# Altium PCB TTN_Gateway_V2.3.1.PcbDoc (part 1 of 3) (continued)
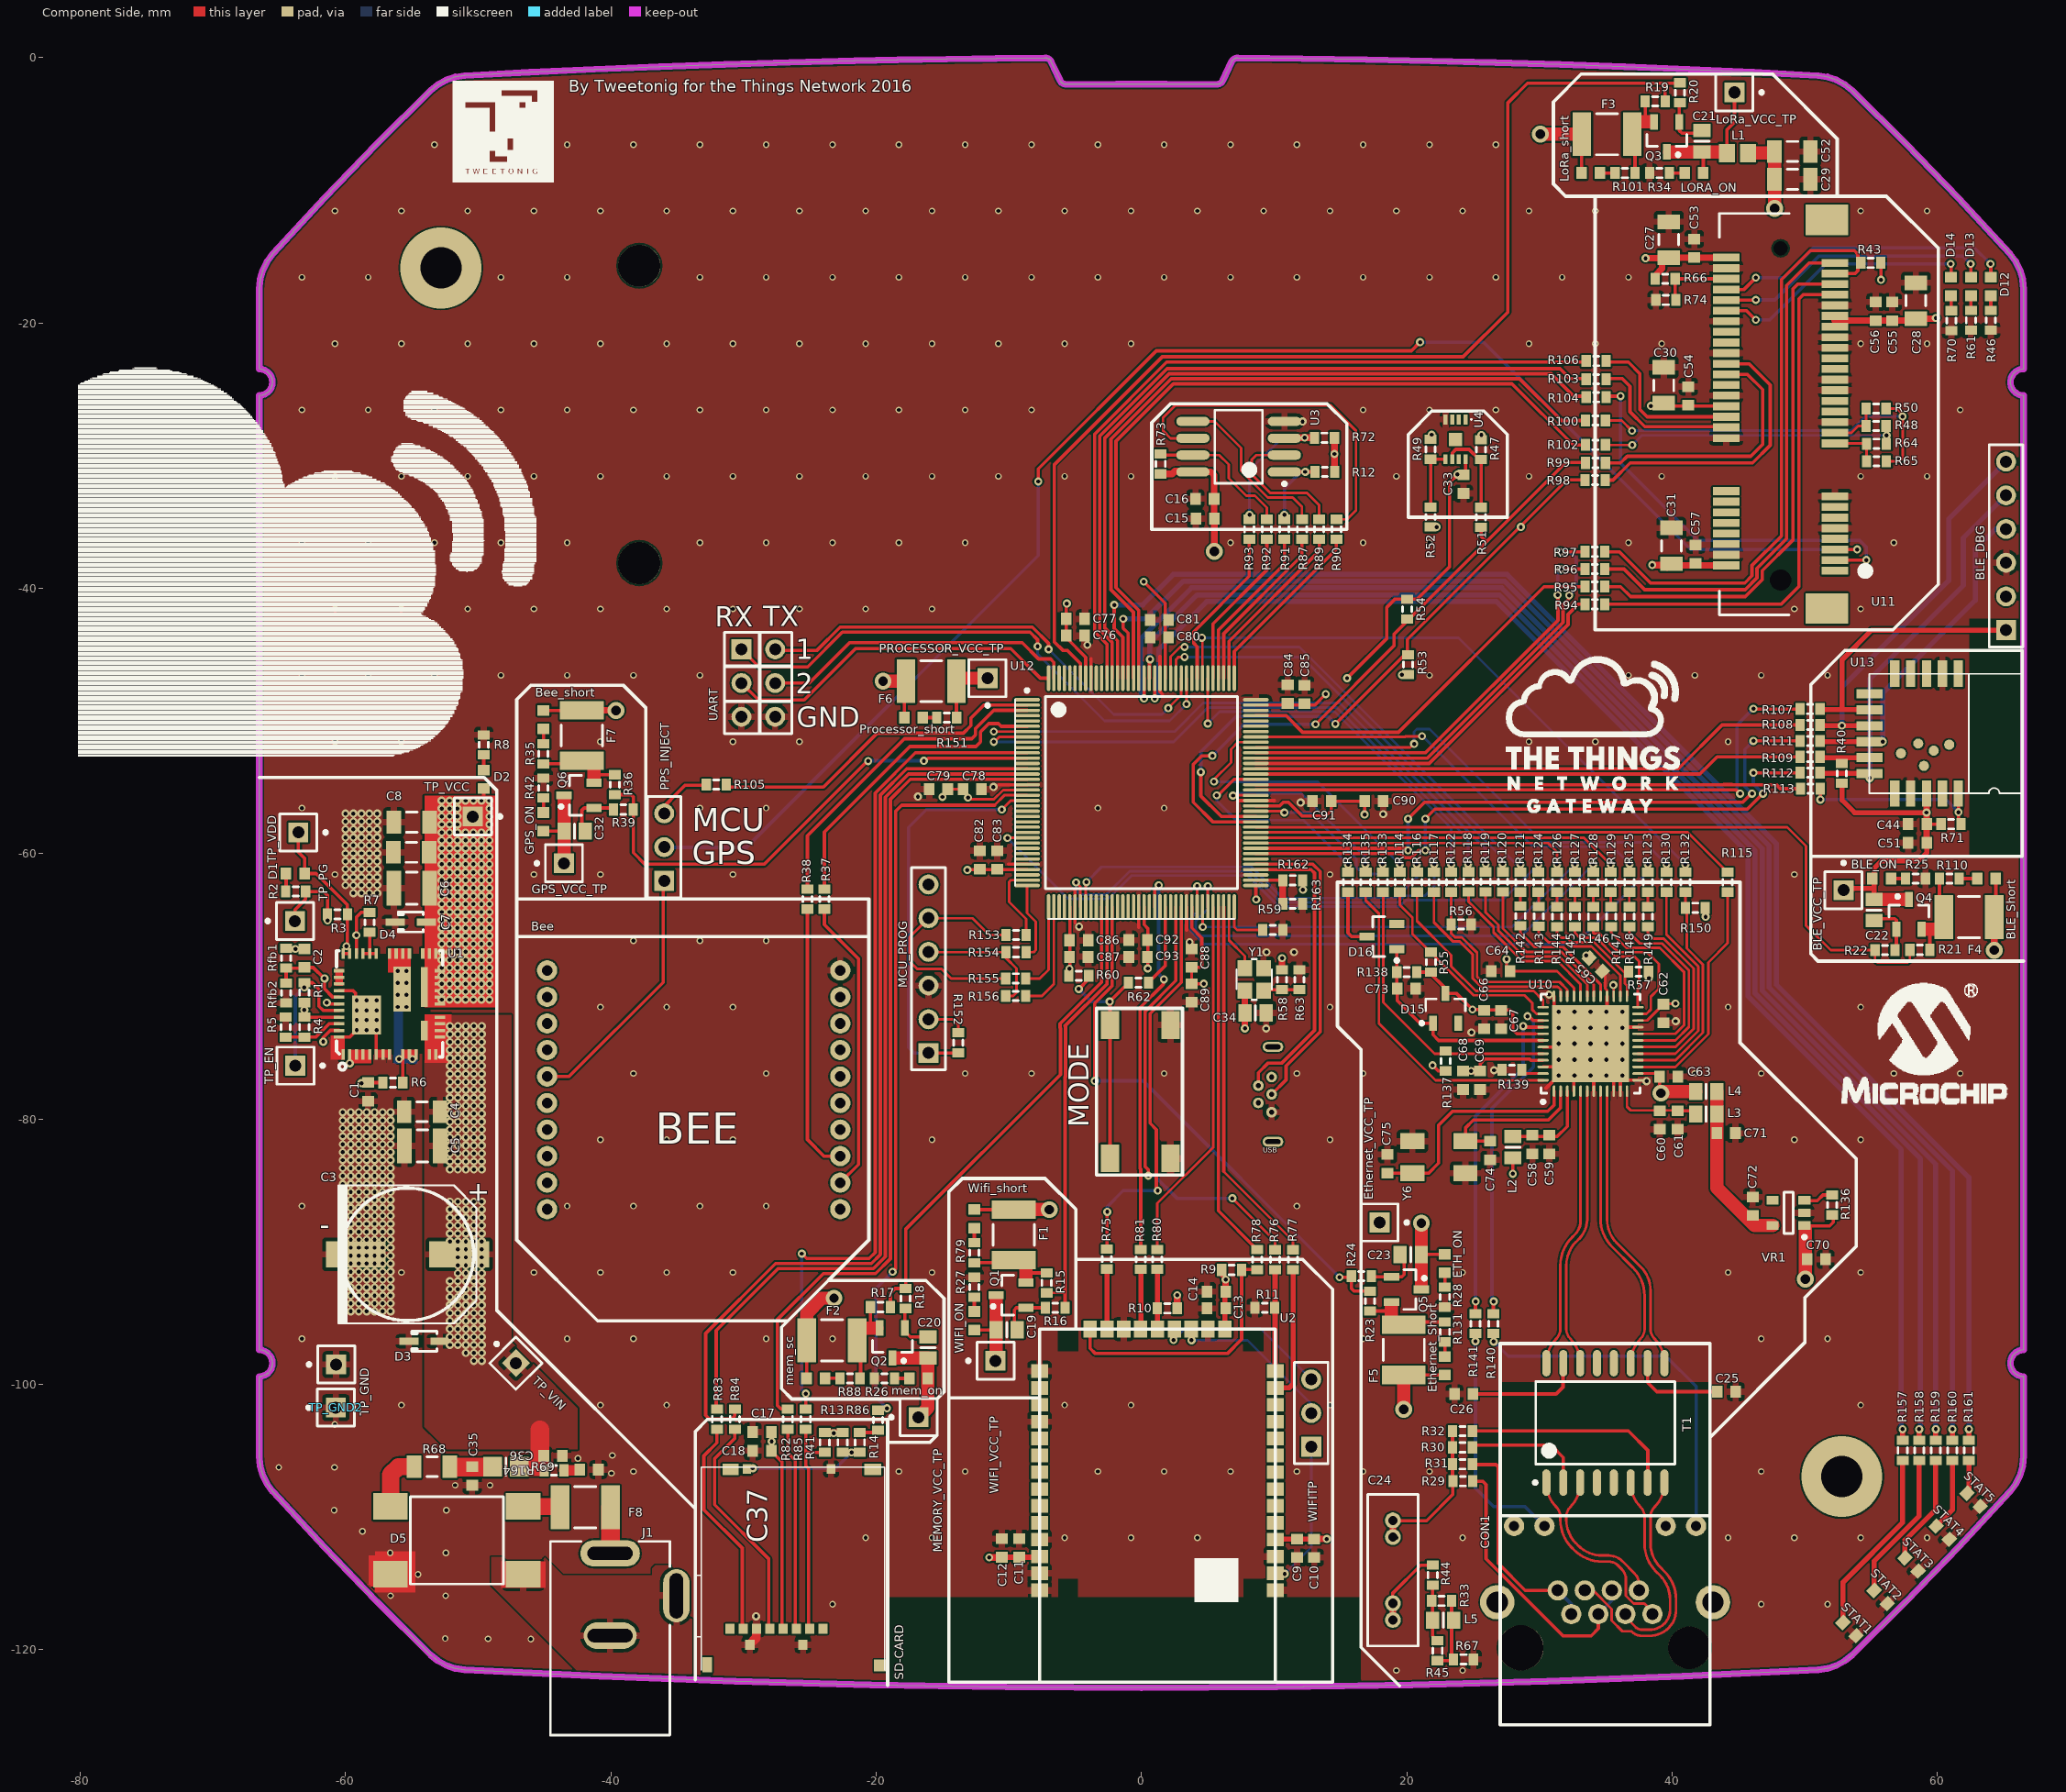
[diagram p0: Component Side view]
## Components (designator, comment, footprint, x,y, rotation, side; value= is the part's Value field where it differs from the comment) (continued)
BLE_VCC_TP "Plug" PIN1 52.925,-62.75 r0 top
C1 "Cap" C0603 -58.3,-77.95 r90 top
C2 "Cap" C0603 -63.1,-67.875 r270 top
C3 "Cap Pol3" "SMD_CAP_10x7.7mm_220uF - duplicate" -55.325,-90.197 r0 top
C4 "Cap" C1206 -54.225,-79.45 r0 top
C5 "Cap" C1210 -54.2,-82.025 r0 top
C6 "Cap" C1210 -55,-62.6 r0 top
C7 "Cap" C1206 -55.025,-59.9 r0 top
C8 "Cap" C1206 -55,-57.625 r0 top
C9 "Cap" C0603 11.75,-112.35 r90 top
C10 "Cap" C0603 13.025,-112.35 r90 top
C11 "Cap" C0603 -9.225,-112.325 r270 top
C12 "Cap" C0603 -10.525,-112.325 r270 top
C13 "Cap" C0603 5.65,-94.275 r0 top
C14 "Cap" C0603 5.65,-93 r0 top
C15 "Cap" C0603 4.802,-34.747 r0 top
C16 "Cap" C0603 4.777,-33.247 r0 top
C17 "Cap" C0603 -28.6,-103.597 r0 top
C18 "Cap" C0603 -28.6,-104.997 r0 top
C19 "Cap" 6-0805_L -10.15,-95.874 r180 top
C20 "Cap" 6-0805_L -16.098,-97.222 r270 top
C21 "Cap" 6-0805_L 42.25,-6.3 r270 top
C22 "Cap" 6-0805_L 55.225,-64.25 r90 top
C23 "Cap" 6-0805_L 20.3,-90.22 r0 top
C24 "Cap" "CAP HV 5-7.5mm" 18.95,-113.997 r90 top
C25 "Cap" C0603 44.1,-100.547 r180 top
C26 "Cap" C0603 24.3,-100.722 r0 top
C27 "Cap" C1206 39.75,-13.722 r270 top
C28 "Cap" C1206 58.375,-18.322 r270 top
C29 "Cap" C1206 49.075,-9.172 r180 top
C30 "Cap" C1206 39.375,-24.697 r270 top
C31 "Cap" C1206 39.95,-36.797 r270 top
C32 "Cap" 6-0805_L -42.725,-58.3 r180 top
C33 "Cap" C0603 24.275,-32.147 r90 top
C34 "Cap" 6-0805_L 8.6,-71.997 r180 top
C35 "" C0603 -50.45,-106.9 r90 top
C36 "" C0603 -44.35,-105.375 r180 top
C37 "" C0603 -41.634,-106.425 r180 top
C44 "Cap" C0603 58.5,-57.775 r0 top
C51 "Cap" C0603 58.5,-59.175 r0 top
C52 "Cap" C1206 49.075,-7.072 r180 top
C53 "Cap" C0603 41.675,-14.372 r270 top
C54 "Cap" C0603 41.225,-25.497 r270 top
C55 "Cap" C0603 56.6,-19.122 r270 top
C56 "Cap" C0603 55.35,-19.122 r270 top
C57 "Cap" C0603 41.775,-37.422 r270 top
C58 "Cap" C0603 29.475,-81.922 r90 top
C59 "Cap" C0603 30.75,-81.922 r90 top
C60 "Cap" C0603 39.075,-80.072 r90 top
C61 "Cap" C0603 40.425,-80.072 r90 top
C62 "Cap" C0603 39.35,-72.047 r90 top
C63 "Cap" C0603 39.75,-76.797 r180 top
C64 "Cap" C0603 27.075,-68.847 r0 top
C65 "Cap" C0603 34.25,-68.372 r135 top
C66 "Cap" C0603 25.85,-72.497 r90 top
C67 "Cap" C0603 27.1,-72.497 r90 top
C68 "Cap" C0603 24.25,-77.072 r90 top
C69 "Cap" C0603 25.525,-77.072 r90 top
C70 "Cap" C0603 50.875,-90.572 r180 top
C71 "Cap" C0603 44.075,-81.072 r180 top
C72 "Cap" C0603 46.075,-86.572 r270 top
C73 "Cap" C0603 19.975,-70.172 r180 top
C74 "Cap" C0603 26.275,-82.372 r90 top
C75 "Cap" C0603 18.55,-83.372 r270 top
C76 "Cap" C0603 -4.975,-43.572 r0 top
C77 "Cap" C0603 -4.975,-42.297 r0 top
C78 "Cap" C0603 -12.75,-55.147 r0 top
C79 "Cap" C0603 -15.3,-55.147 r180 top
C80 "Cap" C0603 1.35,-43.697 r180 top
C81 "Cap" C0603 1.35,-42.372 r180 top
C82 "Cap" C0603 -12.175,-60.475 r90 top
C83 "Cap" C0603 -10.875,-60.475 r90 top
C84 "Cap" C0603 11.025,-47.972 r90 top
C85 "Cap" C0603 12.3,-47.997 r90 top
C86 "Cap" C0603 -4.722,-66.524 r180 top
C87 "Cap" C0603 -4.725,-67.775 r180 top
C88 "Cap" C0603 3.775,-67.872 r90 top
C89 "Cap" C0603 3.775,-70.497 r270 top
C90 "Cap" C0603 17.525,-56.047 r0 top
C91 "Cap" C0603 13.6,-56.047 r180 top
C92 "Cap" C0603 -0.25,-66.522 r180 top
C93 "Cap" C0603 -0.25,-67.797 r180 top
CON1 "GWLX-S9-88-G/G" GWLX-S9-88-G/G 34.95,-119.847 r0 top
D1 "PG" C0603 -63.775,-61.5 r180 top
D2 "VCC" C0603 -49.575,-54.397 r90 top
D3 "TVS 26 v" SOD323 -54.05,-96.75 r180 top
D4 "TVS - PTVS3V3P1UP,115" SOD323 -55.075,-65.15 r180 top
D5 "Bridge1" 4-SDIP -51.6,-111.75 r0 top
D12 "LED0" C0603 64.025,-17.247 r270 top
D13 "LED0" C0603 62.525,-17.247 r270 top
D14 "LED0" C0603 61.025,-17.247 r270 top
D15 "Diode BAT754" SOT-23_N 22.925,-71.647 r90 top
D16 "Diode BAT754" SOT-23_N 18.125,-66.247 r180 top
ETH_ON "LED?" C0603 22.85,-90.895 r270 top
Ethernet_Short "LED0" C0603 22.875,-98.595 r90 top
Ethernet_VCC_TP "Plug" PIN1 17.95,-87.797 r270 top
F1 "Fuse Thermal" 1812-polyfuse -9.625,-88.725 r270 top
F2 "Fuse Thermal" 1812-polyfuse -23.323,-96.672 r0 top
F3 "Fuse Thermal" 1812-polyfuse 35.1,-5.775 r0 top
F4 "Fuse Thermal" 1812-polyfuse 62.375,-64.775 r180 top
F5 "Fuse Thermal" 1812-polyfuse 19.775,-97.395 r90 top
F6 "Fuse Thermal" 1812-polyfuse -15.85,-46.997 r0 top
F7 "Fuse Thermal" 1812-polyfuse -42.175,-51.1 r270 top
F8 "Fuse Thermal" 1812-polyfuse -41.925,-109.25 r180 top
GPS_ON "LED?" C0603 -45.075,-57.6 r90 top
GPS_VCC_TP "Plug" PIN1 -43.525,-60.722 r90 top
J1 "PWR2.5" KLD-0202 -40.05,-126.432 r90 top
L1 "Inductor" 2029 44.925,-7.2 r0 top
L2 "Inductor" 6-0805_L 28,-82.122 r90 top
L3 "Inductor" 6-0805_L 42.575,-79.622 r0 top
L4 "Inductor" 6-0805_L 42.575,-77.922 r0 top
L5 "Inductor" 6-0805_L 22.75,-117.772 r0 top
LORA_ON "LED?" C0603 41.65,-8.7 r180 top
LoRa_short "LED0" C0603 33.875,-8.7 r0 top
LoRa_VCC_TP "Plug" PIN1 44.7,-2.622 r270 top
MCU_PROG "Header 6" HDR1X6 -16.05,-75.022 r90 top
mem_on "LED?" C0603 -16.798,-99.547 r180 top
mem_sc "LED0" C0603 -24.548,-99.547 r0 top
MEMORY_VCC_TP "Plug" PIN1 -16.798,-102.472 r90 top
MODE "SW-PB" BUTTON 2.2,-72.922 r270 top
PPS_INJECT "Header 3" HDR1X3 -35.975,-62.047 r90 top
Processor_short "LED0" C0603 -17.175,-49.747 r0 top
PROCESSOR_VCC_TP "Plug" PIN1 -11.6,-46.772 r180 top
Q1 "MOSFET-P" SOT23_N -9.825,-93.274 r180 top
Q2 "MOSFET-P" SOT23_N -18.773,-96.872 r270 top
Q3 "MOSFET-P" SOT23_N 39.6,-5.975 r270 top
Q4 "MOSFET-P" SOT23_N 57.85,-64.575 r90 top
Q5 "MOSFET-P" SOT23_N 19.975,-92.845 r0 top
Q6 "MOSFET-P" SOT23_N -42.4,-55.6 r180 top
R1 "Res1" R0603 -63.1,-70.475 r90 top
R2 "Res1" R0603 -63.75,-62.85 r0 top
R3 "Res1" R0603 -60.6,-64.575 r180 top
R4 "Res1" R0603 -63.1,-73.075 r90 top
R5 "Res1" R0603 -64.5,-73.075 r90 top
R6 "Res1" R0603 -56.425,-77.25 r180 top
R7 "Res1" R0603 -58.175,-65.175 r270 top
R8 "Res1" R0603 -49.575,-51.797 r270 top
R9 "Res1" R0603 6.8,-91.372 r180 top
R10 "Res1" R0603 1.95,-94.275 r0 top
R11 "Res1" R0603 9.3,-94.225 r0 top
R12 "Res1" R0603 13.825,-31.222 r0 top
R13 "Res1" R0603 -22.525,-104.372 r270 top
R14 "Res1" R0603 -21.225,-104.372 r90 top
R15 "Res1" R0603 -7.15,-92.35 r90 top
R16 "Res1" R0603 -6.5,-94.225 r0 top
R17 "Res1" R0603 -19.673,-94.172 r180 top
R18 "Res1" R0603 -17.773,-93.522 r90 top
R19 "Res1" R0603 38.725,-3.3 r180 top
R20 "Res1" R0603 40.6,-2.65 r90 top
R21 "Res1" R0603 58.675,-67.25 r0 top
R22 "Res1" R0603 56.05,-67.275 r180 top
R23 "Res1" R0603 17.225,-93.72 r270 top
R24 "Res1" R0603 16.575,-91.845 r180 top
R25 "Res1" R0603 58.35,-61.875 r180 top
R26 "Res1" R0603 -19.373,-99.547 r0 top
R27 "Res1" R0603 -12.6,-92.675 r270 top
R28 "Res1" R0603 22.875,-93.42 r90 top
R29 "Res1" R0603 24.225,-107.297 r180 top
R30 "Res1" R0603 24.2,-104.747 r0 top
R31 "Res1" R0603 24.2,-106.022 r180 top
R32 "Res1" R0603 24.2,-103.522 r0 top
R33 "Res1" R0603 22.625,-116.322 r0 top
R34 "Res1" R0603 39.05,-8.7 r0 top
R35 "Res1" R0603 -45.075,-52.475 r270 top
R36 "Res1" R0603 -39.7,-54.8 r90 top
R37 "Res1" R0603 -23.9,-63.422 r270 top
R38 "Res1" R0603 -25.175,-63.42 r270 top
R39 "Res1" R0603 -39.05,-56.675 r180 top
R40 "Res1" R0603 52.8,-53.95 r270 top
R41 "Res1" R0603 -23.875,-104.372 r90 top
R42 "Res1" R0603 -45.075,-55.05 r270 top
R43 "Res1" R0603 54.975,-15.472 r0 top
R44 "Res1" R0603 21.95,-114.372 r270 top
R45 "Res1" R0603 22.325,-120.072 r270 top
R46 "Res1" R0603 64.025,-19.797 r90 top
R47 "Res1" R0603 25.6,-29.547 r270 top
R48 "Res1" R0603 55.375,-27.772 r0 top
R49 "Res1" R0603 21.8,-29.522 r270 top
R50 "Res1" R0603 55.375,-26.447 r0 top
R51 "" R0603 25.6,-34.647 r270 top
R52 "" R0603 21.8,-34.622 r270 top
R53 "Res1" R0603 20.1,-45.747 r90 top
R54 "Res1" R0603 20.025,-41.572 r270 top
R55 "Res1" R0603 21.825,-68.172 r90 top
R56 "Res1" R0603 24.1,-65.322 r180 top
R57 "Res1" R0603 37.475,-68.897 r180 top
R58 "Res1" R0603 10.6,-69.497 r90 top
R59 "Res1" R0603 9.9,-65.747 r180 top
R60 "Res1" R0603 -4.725,-69.197 r0 top
R61 "Res1" R0603 62.525,-19.797 r90 top
R62 "Res1" R0603 -0.225,-69.722 r0 top
R63 "Res1" R0603 11.9,-69.497 r270 top
R64 "Res1" R0603 55.4,-29.097 r0 top
R65 "Res1" R0603 55.4,-30.422 r180 top
R66 "Res1" R0603 39.475,-16.672 r0 top
R67 "Res1" R0603 24.275,-120.722 r0 top
R68 "" C1206 -53.475,-106.2 r0 top
R69 "" 6-0805_M -47.9,-106.2 r0 top
R70 "Res1" R0603 61.05,-19.822 r90 top
R71 "Res1" R0603 61.025,-57.775 r180 top
R72 "Res1" R0603 13.8,-28.647 r0 top
R73 "Res1" R0603 1.45,-30.622 r270 top
R74 "Res1" R0603 39.525,-18.272 r0 top
R75 "" R0603 -2.6,-90.55 r90 top
R76 "" R0603 10.075,-90.6 r90 top
R77 "" R0603 11.425,-90.6 r90 top
R78 "" R0603 8.725,-90.597 r90 top
R79 "Res1" R0603 -12.6,-90.075 r270 top
R80 "" R0603 1.2,-90.575 r90 top
R81 "" R0603 -0.05,-90.575 r90 top
R82 "" R0603 -26.65,-102.622 r90 top
R83 "" R0603 -32,-102.622 r90 top
R84 "" R0603 -30.65,-102.622 r90 top
R85 "" R0603 -25.3,-102.622 r90 top
R86 "" R0603 -19.85,-102.697 r90 top
R87 "" R0603 12.1,-35.547 r90 top
R88 "Res1" R0603 -21.973,-99.547 r0 top
R89 "" R0603 13.4,-35.547 r90 top
R90 "" R0603 14.7,-35.547 r90 top
R91 "" R0603 10.775,-35.547 r90 top
R92 "" R0603 9.45,-35.547 r90 top
R93 "" R0603 8.125,-35.547 r270 top
R94 "" R0603 34.175,-41.197 r180 top
R95 "" R0603 34.175,-39.872 r180 top
R96 "" R0603 34.175,-38.547 r180 top
R97 "" R0603 34.175,-37.247 r180 top
R98 "" R0603 34.2,-31.847 r180 top
R99 "" R0603 34.225,-30.547 r180 top
R100 "" R0603 34.225,-27.347 r180 top
R101 "Res1" R0603 36.45,-8.7 r0 top
R102 "" R0603 34.225,-29.197 r180 top
R103 "" R0603 34.275,-24.247 r180 top
R104 "" R0603 34.275,-25.597 r180 top
R105 "" R0603 -32.05,-54.797 r0 top
R106 "" R0603 34.275,-22.872 r180 top
R107 "" R0603 50.4,-49.1 r180 top
R108 "" R0603 50.4,-50.3 r180 top
R109 "" R0603 50.4,-52.7 r180 top
R110 "Res1" R0603 60.9,-61.875 r180 top
R111 "" R0603 50.4,-51.5 r180 top
R112 "" R0603 50.4,-53.9 r180 top
R113 "" R0603 50.425,-55.1 r180 top
R114 "" R0603 19.475,-62.147 r90 top
R115 "" R0603 44.175,-62.147 r90 top
R116 "" R0603 20.775,-62.147 r90 top
R117 "" R0603 22.05,-62.147 r90 top
R118 "" R0603 24.65,-62.122 r90 top
R119 "" R0603 25.95,-62.122 r90 top
R120 "" R0603 27.25,-62.122 r90 top
R121 "" R0603 28.575,-62.147 r90 top
R122 "" R0603 23.35,-62.147 r90 top
R123 "" R0603 38.175,-62.147 r90 top
R124 "" R0603 29.925,-62.147 r90 top
R125 "" R0603 36.775,-62.147 r90 top
R126 "" R0603 31.325,-62.147 r90 top
R127 "" R0603 32.675,-62.147 r90 top
R128 "" R0603 34.05,-62.147 r90 top
R129 "" R0603 35.375,-62.147 r90 top
R130 "" R0603 39.575,-62.147 r90 top
R131 "Res1" R0603 22.875,-96.045 r90 top
R132 "" R0603 41,-62.147 r90 top
R133 "" R0603 18.2,-62.147 r90 top
R134 "" R0603 15.575,-62.147 r90 top
R135 "" R0603 16.9,-62.147 r90 top
R136 "Res1" R0603 52.075,-86.472 r270 top
R137 "Res1" R0603 22.925,-75.622 r270 top
R138 "Res1" R0603 20,-68.922 r0 top
R139 "Res1" R0603 27.925,-76.297 r0 top
R140 "Res1" R0603 26.525,-95.422 r270 top
R141 "Res1" R0603 25.175,-95.422 r270 top
R142 "Res1" R0603 28.575,-64.697 r270 top
R143 "Res1" R0603 29.95,-64.722 r270 top
R144 "Res1" R0603 31.325,-64.747 r270 top
R145 "Res1" R0603 32.675,-64.747 r270 top
R146 "Res1" R0603 34.05,-64.747 r270 top
R147 "Res1" R0603 35.4,-64.747 r270 top
R148 "Res1" R0603 36.775,-64.747 r270 top
R149 "Res1" R0603 38.175,-64.747 r270 top
R150 "Res1" R0603 41.75,-64.072 r0 top
R151 "Res1" R0603 -14.675,-49.747 r0 top
R152 "Res1" R0603 -13.8,-74.247 r270 top
R153 "Res1" R0603 -9.45,-66.122 r180 top
R154 "Res1" R0603 -9.45,-67.422 r180 top
R155 "Res1" R0603 -9.475,-69.397 r180 top
R156 "Res1" R0603 -9.475,-70.725 r180 top
R157 "Res1" R0603 57.375,-104.972 r90 top
R158 "Res1" R0603 58.625,-104.972 r90 top
R159 "Res1" R0603 59.875,-104.972 r90 top
R160 "Res1" R0603 61.125,-104.972 r90 top
R161 "Res1" R0603 62.375,-104.972 r90 top
R162 "Res1" R0603 11.4,-61.997 r0 top
R163 "Res1" R0603 11.4,-63.772 r180 top
R164 "" R0603 -44.275,-106.475 r180 top
Rfb1 "Res1" R0603 -64.475,-67.875 r270 top
Rfb2 "Res1" R0603 -64.475,-70.5 r90 top
SD-CARD "SCHA4B0400" SCHA4B0400 -33.175,-121.547 r0 top (schematic designator U5)
STAT1 "LED0" C0603 53.375,-118.447 r315 top
STAT2 "LED0" C0603 55.725,-116.022 r315 top
STAT3 "LED0" C0603 58.05,-113.572 r315 top
STAT4 "LED0" C0603 60.4,-111.172 r315 top
STAT5 "LED0" C0603 62.725,-108.697 r315 top
T1 "PT61018PEL" WSOIC16_L 34.975,-102.9 r90 top
TP_EN "Plug" PIN1 -63.775,-75.975 r270 top
TP_GND "Plug" PIN1 -60.7,-98.497 r90 top
TP_GND2 "Plug" PIN1 -60.725,-101.747 r90 top
TP_PG "Plug" PIN1 -63.8,-65.075 r90 top
TP_VCC "Plug" PIN1 -50.4,-57.197 r270 top
TP_VDD "Plug" PIN1 -63.55,-58.397 r270 top
TP_VIN "Plug" PIN1 -47.15,-98.397 r45 top
U1 "MIC45205" "45205 THERMALY ENHANCED" -56.675,-71.324 r90 top
U2 "MRF24WN0MA" MRF24WN0MA 10.1,-95.825 r180 top
U3 "SST26VF064B" SOIJ-SM8_M 7.327,-29.322 r180 top
U4 "ATECC508A" UDFN-MU8-non-thermal 23.675,-28.772 r270 top
U10 "KSZ8061MNG_Final" QFN48_M 33.85,-74.322 r90 top
U11 "LoRa Radio" BTB-SM0-8-2H52F 48.175,-26.872 r90 top
U12 "PIC32MZ2048EFH144-I/PH or PIC32MZ2048EFM144-I/PH" MCHP-TQFP-PH144_M 0,-55.397 r0 top
U13 "BM71BLES1FC2" BM71BLES1FC2 54.875,-46.45 r270 top
UART "Header 3X2" HDR2X3 -30.15,-44.597 r270 top
USB "Header 5" "Vertical MicroUSB" 9.813,-78.135 r270 top
VR1 "MIC5248" SOT23-5_L 48.775,-87.072 r180 top
WIFI_ON "LED?" C0603 -12.6,-95.199 r90 top
Wifi_short "LED0" C0603 -12.6,-87.525 r270 top
WIFI_VCC_TP "Plug" PIN1 -11,-98.222 r90 top
WIFITP "Header 3" HDR1X3 12.8,-104.697 r90 top
Y1 "ASDMB - MEMS Oscillator 2520" BT-XTAL_2520 8.5,-69.472 r90 top
Y6 "25 Mhz" "Crystal - ABM3B" 24.425,-84.072 r180 top

## Footprints (in the part's own frame and the unit in brackets; to place one, negate y for a bottom-side part, rotate by r counter-clockwise, add the part's x,y. Pads: shape width x height; smd on the part's side, far side on the other; paste and mask are expansions set on the pad)
4-SDIP [mm]
  rect 2.6x2 smd: 1(-5,2.55) 2(-5,-2.55) 3(5,-2.55) 4(5,2.55)
  silkscreen extent -3.5,-3.3 3.5,3.3, body extent -4.25,-3.25 4.25,3.25, height 2.6
6-0805_L [mm] "Chip Resistor, Body 2.0x1.2mm, IPC High Density"
  rect 1x1.3 smd: 1(-0.8,0) 2(0.8,0)
  silkscreen extent 0,-0.55 0,0.55, body extent -1.07,-0.7 1.07,0.7, height 0.7
6-0805_M [mm] "Chip Resistor, Body 2.0x1.2mm, IPC Low Density"
  rect 1.4x1.5 smd: 1(-1,0) 2(1,0)
  silkscreen extent 0,-0.65 0,0.65, body extent -1.07,-0.7 1.07,0.7, height 0.7
1812-polyfuse [mm] "Chip Capacitor, Body 4.5x3.2mm, IPC High Density"
  rect 1.4x3.3 smd: 1(-1.9,0) 2(1.9,0)
  silkscreen extent -0.8,-1.55 0.8,1.55, body extent -2.4,-1.7 2.4,1.7, height 1.4
2029 [mm] "Chip Inductor, Body 2.0x1.2mm, IPC High Density"
  rect 1.2x1.4 smd: 1(-0.8,0) 2(0.8,0)
  body extent -1.1,-0.7 1.1,0.7, height 0.55
"45205 THERMALY ENHANCED" [mm]
  rect 0.8x0.25 smd mask+0.051: 1(-3.795,3.5) 2(-3.795,3) 3(-3.805,2.5) 4(-3.795,2) 5(-3.795,1.5)
  rect 0.8x0.25 smd mask+0.052: 6(-3.795,1) 8(-3.795,0) 10(-3.795,-1) 12(-3.795,-2) 14(-3.795,-3) 15(-3.795,-3.5) 27(3.805,-3.5) 28(3.805,-3) 29(3.805,-2.5) 31(3.805,-1.5) 32(3.805,-1) 33(3.805,-0.5) 34(3.805,0) 36(3.805,1) 37(3.805,1.5) 38(3.805,2) 39(3.805,2.5) 40(3.805,3) 41(3.805,3.5)
  rect 0.8x0.25 smd paste-0.254 mask+0.052: 7(-3.795,0.5) 11(-3.795,-1.5)
  rect 0x0 smd paste-0.254 mask-0.254: 7(-3.795,0.5) 11(-3.795,-1.5) 22(0.505,-3.8) ""(0.505,3.8)
  rect 0.25x0.8 smd mask+0.052: 16(-2.495,-3.8) 17(-1.995,-3.8) 18(-1.495,-3.8) 19(-0.995,-3.8) 21(0.005,-3.8) 23(1.005,-3.8) 24(1.505,-3.8) 25(2.005,-3.8) 26(2.505,-3.8) 42(2.505,3.8) 43(2.005,3.8) 44(1.505,3.8) 45(1.005,3.8) 46(0.505,3.8) 47(0.005,3.8) 48(-0.495,3.8) 49(-0.995,3.8) 50(-1.495,3.8) 51(-1.995,3.8) 52(-2.495,3.8)
  rect 1.5x0.5 smd mask+0.051: 19(-2,-2.625)
  rect 3x0.5 smd mask+0.051: 21(1.27,-2.625)
  rect 0.25x0.8 smd paste-0.254 mask+0.052: 22(0.505,-3.8)
  rect 3.375x1.3 smd mask+0.051: 31(1.12,-0.95)
  rect 2.946x2.184 smd mask+0.051: 45(-0.838,1.727)
  silkscreen extent -4.97,-4 4.01,4, body extent -4.03,-4 4,4, height 3
BeeSlot [mil] "BeeSlot"
  round 60 hole 31.5: 1(0,708.66) 2(0,629.92) 3(0,551.18) 4(0,472.44) 5(0,393.7) 6(0,314.96) 7(0,236.22) 8(0,157.48) 9(0,78.74) 10(0,0) 11(870,0) 12(870,78.74) 13(870,157.48) 14(870,236.22) 15(870,314.96) 16(870,393.7) 17(870,472.44) 18(870,551.18) 19(870,629.92) 20(870,708.66)
  silkscreen extent -85,-100 960,1040, body extent -45,-84 920,1014, height 138
BM71BLES1FC2 [mm] "Microchip BM71BLES1FC2 BLE module"
  rect 2x0.7 smd: 1(-0.009,6.706) 2(-0.009,5.506) 3(-0.009,4.306) 4(-0.009,3.106) 5(-0.009,1.906) 12(9.016,1.906) 13(9.016,3.106) 14(9.016,4.306) 15(9.016,5.506) 16(9.016,6.706)
  rect 0.7x2 smd: 6(1.506,0.009) 7(2.706,0.009) 8(3.906,0.009) 9(5.106,0.009) 10(6.306,0.009) 11(7.506,0.009)
  round 0.762 smd: TP-1(6.934,4.109) TP-2(5.786,4.847) TP-3(5.334,6.014) TP-4(5.249,3.677) TP-5(5.989,2.376)
  silkscreen extent 0,0 9,11.5, body extent 0,0 9,11.5, height 1.5
BT-XTAL_2520 [mm]
  rect 1.2x1.1 smd: 1(-0.85,-0.7) 2(0.85,-0.7) 3(0.85,0.7) 4(-0.85,0.7)
  silkscreen extent -1.55,-1.33 1.53,1.32, body extent -1.25,-1 1.27,1, height 0.56
BTB-SM0-8-2H52F [mm] "Board-to-Board Connector, SMT, Right Angle, Pitch 0.8mm, 52-Position, Female"
  rect 0.6x2 smd: 1(-11.8,-4.1) 2(-11.4,4.1) 3(-11,-4.1) 4(-10.6,4.1) 5(-10.2,-4.1) 6(-9.8,4.1) 7(-9.4,-4.1) 8(-9,4.1) 9(-8.6,-4.1) 10(-8.2,4.1) 11(-7.8,-4.1) 12(-7.4,4.1) 13(-7,-4.1) 14(-6.6,4.1) 15(-6.2,-4.1) 16(-5.8,4.1) 17(-2.2,-4.1) 18(-1.8,4.1) 19(-1.4,-4.1) 20(-1,4.1) 21(-0.6,-4.1) 22(-0.2,4.1) 23(0.2,-4.1) 24(0.6,4.1) 25(1,-4.1) 26(1.4,4.1) 27(1.8,-4.1) 28(2.2,4.1) 29(2.6,-4.1) 30(3,4.1) 31(3.4,-4.1) 32(3.8,4.1) 33(4.2,-4.1) 34(4.6,4.1) 35(5,-4.1) 36(5.4,4.1) 37(5.8,-4.1) 38(6.2,4.1) 39(6.6,-4.1) 40(7,4.1) 41(7.4,-4.1) 42(7.8,4.1) 43(8.2,-4.1) 44(8.6,4.1) 45(9,-4.1) 46(9.4,4.1) 47(9.8,-4.1) 48(10.2,4.1) 49(10.6,-4.1) 50(11,4.1) 51(11.4,-4.1) 52(11.8,4.1)
  round 3.175 hole 3.175: 1(-11.225,86.025) 1(11.185,86.025)
  round 1.3 hole 1.6 unplated: MH1(-12.5,0)
  round 0.8 hole 1.1 unplated: MH2(12.5,0)
  rect 2.3x3.2 smd: MP1(-14.65,-3.5) MP2(14.65,-3.5)
  silkscreen extent -15.12,-6.69 15.12,4.6, body extent -15.04,-5 15,91.84, height 5.6